# Altium PCB FluidGuard(RX).PcbDoc (part 3 of 3)
Units mm, origin at the board's own origin, x right, y up, seen from the top; angles counter-clockwise.
Board outline 125 x 150 mm, 4 copper layers (Top Layer, Mid Layer 1(GND), Mid Layer 2(GND), Bottom Layer), stack 1.586 mm thick; 143 components, 112 nets, 606 pads, 682 vias.
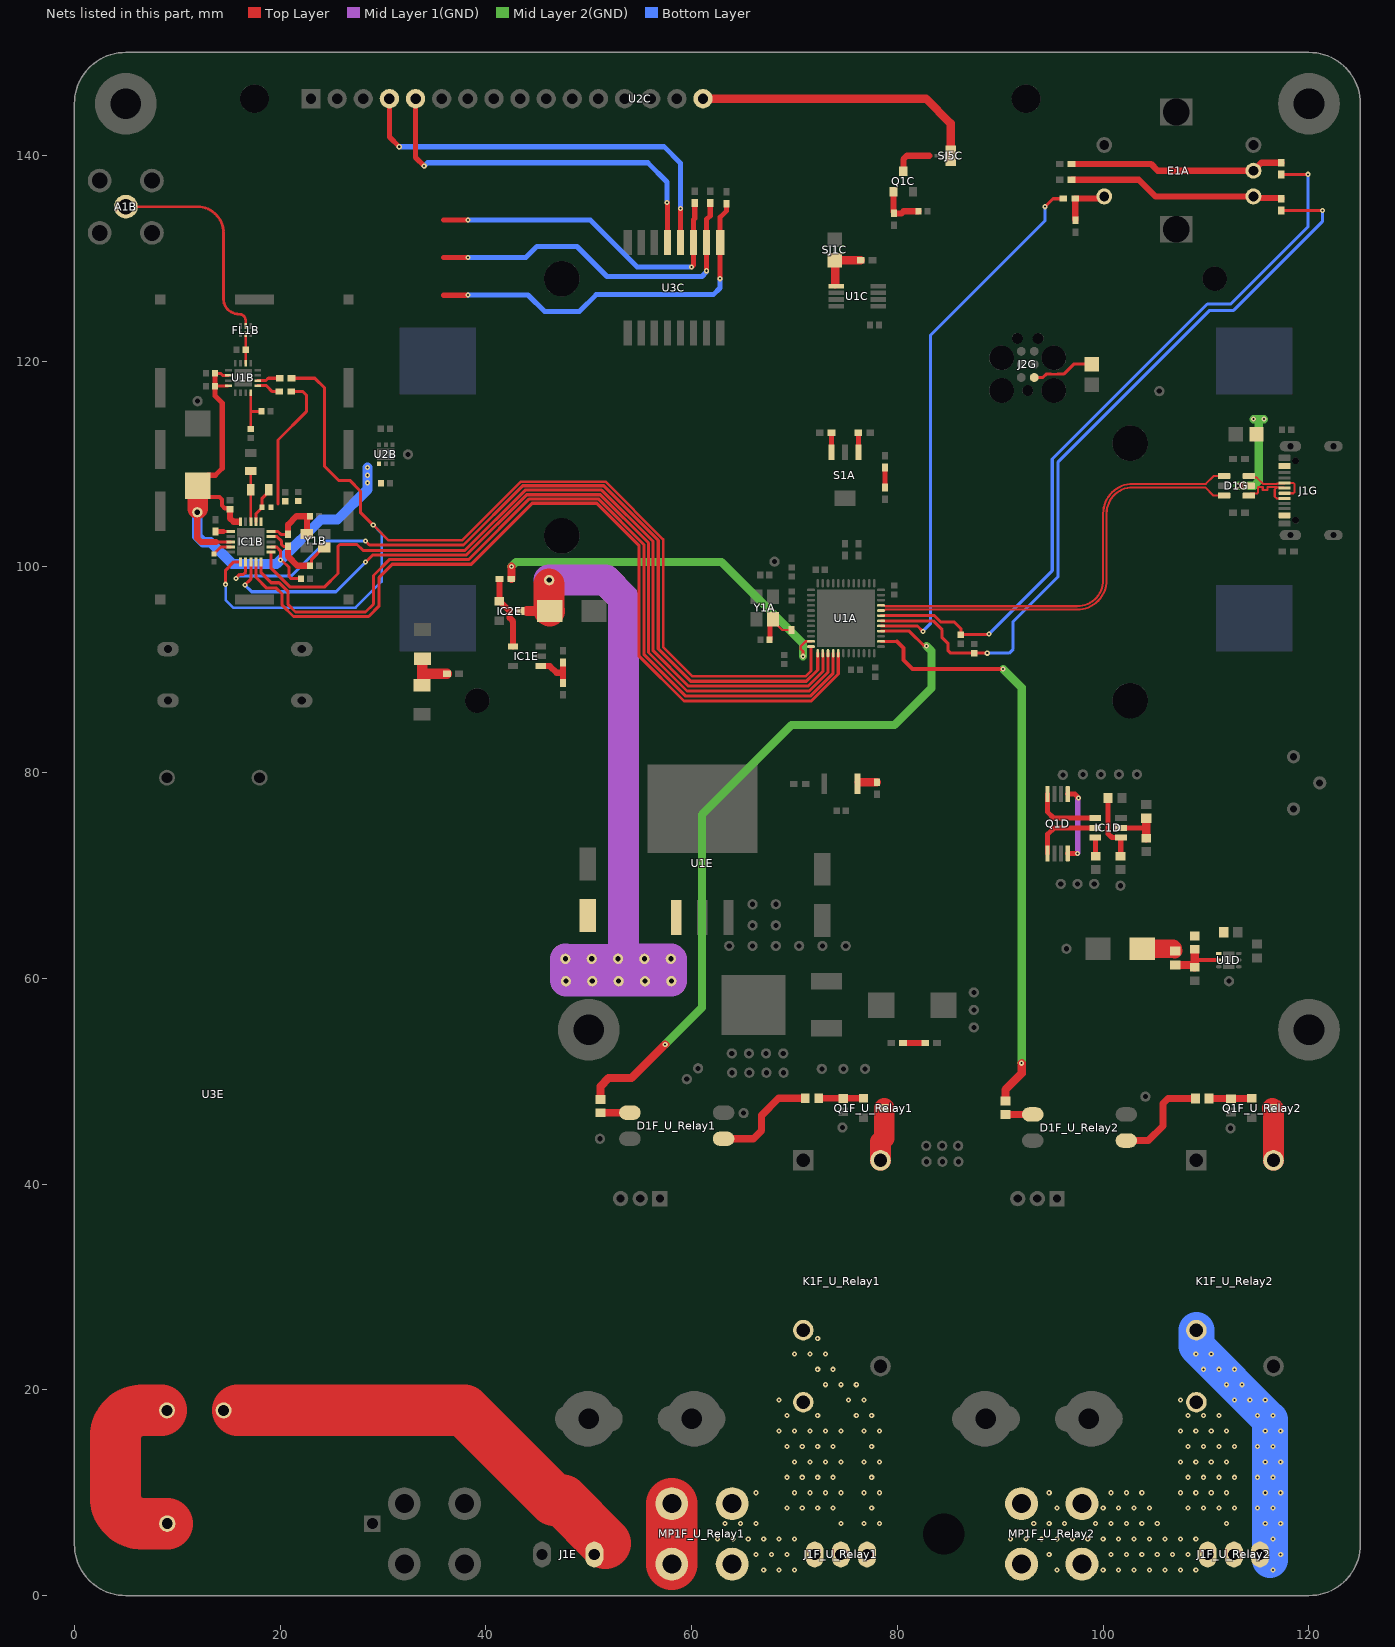
[diagram p5: the nets of this part, all layers, seen from the top]

## Via types
v1: diameter 0.5, hole 0.2, Top Layer to Bottom Layer, 618 vias
v2: diameter 0.8, hole 0.5, Top Layer to Bottom Layer, 64 vias

## Nets (pads, with @x,y where several pads share a name; then routed paths per layer and width w, separated by ;. In a path a pad name is that pad's centre, name@x,y a point inside that pad or via, vN(x,y) a via of type N, cw(c..) or ccw(c..) an arc to the next point about the centre after c; other vN are vias at no path point) (continued)
NetC1D_1: C1D.1 R1D.1 R4D.2 U1D.2 | length 6.1
  Top Layer w0.4: 108.9,61.775 U1D.2@111.222,61.775
  Top Layer w0.8: C1D.1@107,61.3 108.625,61.3 108.85,61.075 R4D.2@108.9,61.075 108.9,61.775 R1D.1@108.9,62.825
NetC2C_2: C2C.2 Q1C.1 R6C.2 | length 4.6
  Top Layer w0.6: Q1C.1@79.625,136.45 79.625,134.475 79.675,134.425 R6C.2@79.675,134.35 80.4,134.35 80.6,134.55 C2C.2@82.035,134.55
NetC3A_2: C3A.2 R6A.1 Y1A.3 | length 4.5
  Top Layer w0.2: Y1A.3@67.9,94.9 67.9,94.775 68.825,93.85 R6A.1@69.715,93.85
  Top Layer w0.5: C3A.2@67.58,92.9 67.63,92.95 67.63,94.63 Y1A.3@67.9,94.9
NetC4B_1: C4B.1 IC1B.19 | length 1.9
  Top Layer w0.3: C4B.1@13.575,101.25 13.575,101.271 14.229,101.925 IC1B.19@15.2,101.925
NetC5D_2: C5D.2 IC1D.5 R2D.2 | length 4.4
  Top Layer w0.5: IC1D.5@101.725,74.625 104.138,74.625 104.175,74.588
  Top Layer w0.8: R2D.2@104.175,73.625 104.175,74.588 C5D.2@104.175,75.55
NetC12B_2: C12B.2 IC1B.10 R4B.1 Y1B.1 | length 7.1
  Top Layer w0.3: IC1B.10@19.1,103.425 19.8,103.425 20.075,103.15 R4B.1@20.775,103.15
  Top Layer w0.6: R4B.1@20.775,103.15 20.775,104.1 21.583,104.908 C12B.2@22.91,104.908 22.91,104.888 22.6,104.578 Y1B.1@22.6,103.181
NetC13B_2: C13B.2 IC1B.9 R4B.2 Y1B.3 | length 8.2
  Top Layer w0.3: IC1B.9@19.1,102.925 19.7,102.925 20.15,102.475 20.15,102.151 20.326,101.975 20.75,101.975 R4B.2@20.775,102 ; C13B.2@22.91,100.1 23.06,100.25 23.06,100.741 24.2,101.881 Y1B.3@24.3,101.881
  Top Layer w0.6: R4B.2@20.775,102 20.775,101 21.675,100.1 C13B.2@22.91,100.1
NetD1A_2: D1A.2 R4A.2 | length 2
  Top Layer w0.5: D1A.2@78.8,107.705 R4A.2@78.8,109.655
NetD1F_U_Relay1_1: D1F_U_Relay1.1 R1F_U_Relay1.2 | length 2.9
  Top Layer w0.7: R1F_U_Relay1.2@51.125,46.925 51.135,46.935 53.99,46.935 D1F_U_Relay1.1@54,46.945
NetD1F_U_Relay1_3: D1F_U_Relay1.3 R3F_U_Relay1.1 | length 10.5
  Top Layer w0.7: D1F_U_Relay1.3@63.1,44.405 66.005,44.405 66.8,45.2 66.8,46.7 68.45,48.35 R3F_U_Relay1.1@71.05,48.35
NetD1F_U_Relay2_1: D1F_U_Relay2.1 R1F_U_Relay2.2 | length 2.7
  Top Layer w0.7: R1F_U_Relay2.2@90.5,46.775 90.502,46.773 93.147,46.773 D1F_U_Relay2.1@93.15,46.77
NetD1F_U_Relay2_3: D1F_U_Relay2.3 R3F_U_Relay2.1 | length 9.7
  Top Layer w0.7: D1F_U_Relay2.3@102.25,44.23 104.38,44.23 105.8,45.65 105.8,47.825 106.3,48.325 R3F_U_Relay2.1@108.975,48.325
NetD2E_2: D2E.2 R3E.2 | length 2.1
  Top Layer w0.6: D2E.2@80.55,53.725 R3E.2@82.7,53.725
NetE1A_1: E1A.1 R12A.1 R14A.2 | length 5
  Top Layer w0.6: R14A.2@97.3,133.675 97.3,133.75 97.275,133.775 R12A.1@97.275,135.8 99.643,135.8 99.843,136 E1A.1@100.1,136
NetE1A_A: E1A.A R10A.1 R13A.2 | length 21.2
  Top Layer w0.6: R10A.1@96.925,137.625 103.45,137.625 105.075,136 E1A.A@114.6,136 114.75,135.85 117.3,135.85 R13A.2@117.3,135.775
NetE1A_B: E1A.B R11A.1 R15A.2 | length 21
  Top Layer w0.6: R11A.1@96.925,139.15 104.65,139.15 105.3,138.5 E1A.B@114.6,138.5 115.375,139.275 R15A.2@117.3,139.275
NetIC1B_12: IC1B.12 L2B.2 L3B.1 | length 3.6
  Top Layer w0.3: IC1B.12@17.65,104.375 17.65,105.17 18.25,105.77 L3B.1@18.25,105.8 18.25,106.665 18.9,107.315 L2B.2@18.9,107.5
NetIC1B_16: IC1B.16 R1B.2 | length 1.5
  Top Layer w0.3: 14.475,103.425 IC1B.16@15.2,103.425
  Top Layer w0.5: R1B.2@13.725,103.425 14.475,103.425
NetIC1D_1: IC1D.1 Q1D.4 | length 6.6
  Top Layer w0.5: Q1D.4@94.6,77.905 94.6,76.15 95.175,75.575 IC1D.1@99.225,75.575
NetIC1D_2: IC1D.2 Q1D.5 | length 6.7
  Top Layer w0.5: Q1D.5@94.6,72.145 94.6,74 95.225,74.625 IC1D.2@99.225,74.625
NetIC1D_3: IC1D.3 R5D.2 | length 1.8
  Top Layer w0.5: IC1D.3@99.225,73.675 99.25,73.65 99.25,71.9 R5D.2@99.275,71.875
NetIC1E_1: IC1E.1 R1E.1 R2E.2 | length 4.4
  Top Layer w0.6: IC1E.1@45.342,90.35 46.225,90.35 46.875,89.7 47.492,89.7 ; R1E.1@47.492,88.7 47.492,89.7 ; R2E.2@47.492,90.7 47.492,89.7
NetIC1E_4: IC1E.4 IC2E.1 R9A.2 | length 7.2
  Top Layer w0.6: R9A.2@41.325,98.825 41.325,96.75 41.45,96.75 IC2E.1@41.45,96.8 ; IC2E.1@41.35,96.65 42.3,95.7 42.3,95.025 42.642,94.683 IC1E.4@42.642,92.25
NetJ1F_U_Relay1_1: J1F_U_Relay1.1 MP1F_U_Relay1.1@63.935,3.065 MP1F_U_Relay1.1@63.935,8.935
  other v1: 67,2.5 68.5,2.5 70,2.5 66.25,4 67.75,4 69.25,4 62.5,5.5 64,5.5 65.5,5.5 67,5.5 68.5,5.5 70,5.5 63.25,7 64.75,7 66.25,7 66.25,10
NetJ1F_U_Relay2_1: J1F_U_Relay2.1 MP1F_U_Relay2.1
  other v1: 95.5,2.5 100,2.5 101.5,2.5 103,2.5 104.5,2.5 106,2.5 107.5,2.5 109,2.5 94.75,4 100.75,4 102.25,4 103.75,4 105.25,4 106.75,4 108.25,4 91,5.5 92.5,5.5 94,5.5 95.5,5.5 97,5.5 98.5,5.5 100,5.5 101.5,5.5 103,5.5 104.5,5.5 106,5.5 107.5,5.5 109,5.5 93.25,7 94.75,7 96.25,7 99.25,7 100.75,7 102.25,7 103.75,7 105.25,7 95.5,8.5 100,8.5 101.5,8.5 103,8.5 104.5,8.5 94.75,10 100.75,10 102.25,10 103.75,10
NetJ2G_1: J2G.1 SJ2G.1 | length 6.1
  Top Layer w0.25: 94.929,118.725 95.55,118.725
  Top Layer w0.3: J2G.1@93.3,118.4 94.125,118.4 94.45,118.725 94.929,118.725 ; 95.55,118.725 96.15,118.725 97.125,119.7 SJ2G.1@98.9,119.7
NetK1F_U_Relay1_5: K1F_U_Relay1.5 Q1F_U_Relay1.3 | length 5.2
  Top Layer w2: K1F_U_Relay1.5@78.35,42.3 78.35,44.125 78.7,44.475 Q1F_U_Relay1.3@78.7,47.39
NetK1F_U_Relay2_5: K1F_U_Relay2.5 Q1F_U_Relay2.3 | length 5.1
  Top Layer w2: Q1F_U_Relay2.3@116.45,47.39 116.55,47.29 K1F_U_Relay2.5@116.55,42.3
NetQ1C_3: Q1C.3 SJ5C.1 | length 3.8
  Top Layer w0.6: Q1C.3@80.575,138.45 80.575,139.599 80.926,139.95 83.1,139.95
NetQ1D_1: Q1D.1 Q1D.8 | length 7.6
  Top Layer w0.5: Q1D.8@96.55,72.145 v1(97.495,72.145) ; Q1D.1@96.55,77.905 97.228,77.905 v1(97.605,77.528)
  Mid Layer 1(GND) w0.5: v1(97.495,72.145) 97.53,72.18 97.53,77.453 v1(97.605,77.528)
NetQ1F_U_Relay1_1: Q1F_U_Relay1.1 R3F_U_Relay1.2 R4F_U_Relay1.2 | length 4.4
  Top Layer w0.6: R3F_U_Relay1.2@72.35,48.35 72.355,48.345 76.695,48.345 Q1F_U_Relay1.1@76.7,48.34
NetQ1F_U_Relay2_1: Q1F_U_Relay2.1 R3F_U_Relay2.2 R4F_U_Relay2.2 | length 4.2
  Top Layer w0.7: R3F_U_Relay2.2@110.275,48.325 110.282,48.333 114.443,48.333 Q1F_U_Relay2.1@114.45,48.34
NetR1C_1: R1C.1 SJ1C.2 U1C.1 | length 3.9
  Top Layer w0.8: U1C.1@73.95,127.454 SJ1C.2@73.95,129.5 ; SJ1C.2@74.595,129.8 R1C.1@76.425,129.8
NetR2B_1: R2B.1 U1B.5 | length 2.3
  Top Layer w0.3: U1B.5@17.825,117.602 18.673,117.602 19.248,117.027 R2B.1@19.925,117.027
NetR2C_1: R2C.1 SJ2C.2 U3C.1 | length 36.8
  Top Layer w0.5: SJ2C.2@35.875,126.4 38.05,126.4 v1@38.075,126.425 ; v1(62.75,128) 62.75,131.505 U3C.1@62.77,131.525 62.77,133.97 63.4,134.6 R2C.1@63.4,135.3
  Bottom Layer w0.5: v1(38.25,126.425) 44.1,126.425 45.725,124.8 49.075,124.8 50.725,126.45 62.1,126.45 62.75,127.1 v1(62.75,128)
NetR3A_1: R3A.1 S1A.1 | length 1.9
  Top Layer w0.5: S1A.1@76.2,111.15 R3A.1@76.2,113.03
NetR3B_1: R3B.1 U1B.6 | length 2.2
  Top Layer w0.3: U1B.6@17.825,118.102 18.627,118.102 18.852,118.327 R3B.1@19.95,118.327
NetR3C_1: R3C.1 SJ3C.2 U3C.2 | length 34
  Top Layer w0.5: SJ3C.2@35.875,130.05 v1@38.05,130.05 ; v1(61.45,128.775) U3C.2@61.45,131.525 61.45,133.775 61.8,134.125 R3C.1@61.8,135.35
  Bottom Layer w0.5: v1(38.25,130.05) 43.875,130.05 44.95,131.125 48.85,131.125 51.765,128.21 60.992,128.21 61.45,128.668 v1(61.45,128.775)
NetR4C_1: R4C.1 SJ4C.2 U3C.3 | length 32.3
  Top Layer w0.5: SJ4C.2@35.875,133.7 v1(38.25,133.7) ; v1(60,129.15) 60.18,129.33 U3C.3@60.18,131.525 60.18,133.73 60.3,133.85 R4C.1@60.3,135.35
  Bottom Layer w0.5: v1(38.25,133.7) 50.15,133.7 54.7,129.15 v1(60,129.15)
NetR4E_2: R4E.2 U3E.1 | length 18.3
  Top Layer w5: U3E.1@8.45,18 6.54,18 ccw(c6.54,15.46) 4,15.46 4,9.54 ccw(c6.54,9.54) 6.54,7 R4E.2@9.027,7
NetR5A_2: R5A.2 S1A.3 | length 1.9
  Top Layer w0.5: S1A.3@73.6,111.15 R5A.2@73.6,113.03
NetR6D_1: R6D.1 R7D.2 R8A.2 | length 5.1
  Top Layer w1: R7D.2@33.8,88.475 33.825,88.5 33.825,89.775 ; R6D.1@33.85,91.075 33.825,91.05 33.825,89.775 ; R8A.2@36.225,89.6 34,89.6 33.825,89.775
NetR7A_2: R7A.2 S2A.2 | length 1.7
  Top Layer w0.8: S2A.2@76.25,79.05 R7A.2@78,79.05
NetSJ5C_3: SJ5C.3 U2C.16 | length 27.5
  Top Layer w0.8: U2C.16@61.1,145.5 82.775,145.5 85.175,143.1 SJ5C.3@85.175,140.699
NEUTRAL: J1E.1 MP1F_U_Relay1.1@58.065,3.065 MP1F_U_Relay1.1@58.065,8.935 U3E.2 | length 48.3
  Top Layer w2: U3E.2@14.5,18 15.9,18
  Top Layer w5: 15.9,18 37.9,18 46.648,9.252 47.448,9.252 51.62,5.08 ; MP1F_U_Relay1.1@58.065,3.065 MP1F_U_Relay1.1@58.065,8.935
NH_U_Relay1: J1F_U_Relay1.3 K1F_U_Relay1.2
  other v1: 76.75,7 78.25,7 77.5,8.5 76.75,10 78.25,10 77.5,11.5 76.75,13 78.25,13 77.5,14.5 76.75,16 78.25,16 76,17.5 77.5,17.5 75.25,19 76.75,19 73,20.5 74.5,20.5 76,20.5 72.25,22 73.75,22 70,23.5 71.5,23.5 73,23.5 72.25,25
NH_U_Relay2: J1F_U_Relay2.3 K1F_U_Relay2.2 | length 25.3
  Bottom Layer w3.5: K1F_U_Relay2.2@109.05,25.8 109.05,24.258 116.2,17.108 116.2,3.465
  other v1: 116.5,2.5 117.25,4 116.5,5.5 115.75,7 117.25,7 115,8.5 116.5,8.5 115.75,10 117.25,10 115,11.5 116.5,11.5 115.75,13 117.25,13 115,14.5 116.5,14.5 115.75,16 117.25,16 115,17.5 116.5,17.5 112.75,19 114.25,19 115.75,19 112,20.5 113.5,20.5 109.75,22 111.25,22 112.75,22 109,23.5 110.5,23.5
NL_U_Relay1: J1F_U_Relay1.2 K1F_U_Relay1.3
  other v1: 74.5,7 69.25,8.5 70.75,8.5 72.25,8.5 73.75,8.5 70,10 71.5,10 73,10 74.5,10 69.25,11.5 70.75,11.5 72.25,11.5 73.75,11.5 70,13 71.5,13 73,13 74.5,13 69.25,14.5 70.75,14.5 72.25,14.5 73.75,14.5 68.5,16 70,16 71.5,16 73,16 74.5,16 69.25,17.5 72.25,17.5 68.5,19
NL_U_Relay2: J1F_U_Relay2.2 K1F_U_Relay2.3
  other v1: 112,7 108.25,8.5 109.75,8.5 111.25,8.5 112.75,8.5 107.5,10 109,10 110.5,10 112,10 108.25,11.5 109.75,11.5 111.25,11.5 112.75,11.5 107.5,13 109,13 110.5,13 112,13 108.25,14.5 109.75,14.5 111.25,14.5 112.75,14.5 107.5,16 109,16 110.5,16 112,16 108.25,17.5 109.75,17.5 111.25,17.5 107.5,19
NRF_ANT: C5B.2 C6B.2 U1B.4 | length 4.6
  Top Layer w0.26: C5B.2@17.15,113.392 17.15,115.159 ; U1B.4@17.15,116.927 17.15,115.159 ; C6B.2@18.175,115.1 17.209,115.1 cw(c17.209,115.159) 17.15,115.159
POT_A: C12A.2 R13A.1 U1A.30 | length 75.6
  Top Layer w0.3: U1A.30@78.4,94.75 83.475,94.75 84.35,93.875 84.35,93.1 84.932,92.518 84.932,91.843 85.173,91.602 C12A.2@87.485,91.602 v1(88.73,91.602) ; R13A.1@117.3,134.625 v1(121.3,134.625)
  Bottom Layer w0.3: v1(88.73,91.602) 90.853,91.602 91.25,92 91.25,94.675 95.625,99.05 95.625,110.2 110.35,124.925 112.675,124.925 121.3,133.55 v1(121.3,134.625)
POT_B: C11A.2 R15A.1 U1A.31 | length 73.1
  Top Layer w0.3: U1A.31@78.4,95.25 83.6,95.25 84.235,94.615 85.55,94.615 86.16,94.005 C11A.2@86.16,93.398 86.177,93.415 88.713,93.415 88.718,93.419 88.847,93.419 v1(88.885,93.457) ; R15A.1@117.3,138.125 117.312,138.137 119.887,138.137 v1(119.9,138.15)
  Bottom Layer w0.3: v1(88.885,93.457) 95.05,99.623 95.05,110.475 110.125,125.55 112.4,125.55 119.925,133.075 119.925,138.125 v1(119.9,138.15)
POT_SW: R12A.2 U1A.29 | length 52.6
  Top Layer w0.3: U1A.29@78.4,94.25 81.95,94.25 v1(82.475,93.725) ; v1(94.35,135) 95.125,135.775 96.1,135.775 R12A.2@96.125,135.8
  Bottom Layer w0.3: v1(82.475,93.725) 83.2,94.45 83.2,122.475 94.35,133.625 v1(94.35,135)
PWR_SENSE: R9A.1 U1A.11 | length 36.5
  Top Layer w0.254: v1(70.825,91.3) 70.825,91.796 70.6,92.021 70.6,92.275 71.075,92.75 U1A.11@71.6,92.75 U1A.11@71.598,92.748
  Top Layer w0.8: R9A.1@42.475,98.825 v1(42.475,100.025)
  Mid Layer 2(GND) w0.8: v1(42.475,100.025) 42.925,100.475 62.903,100.475 70.825,92.553 v1(70.825,91.3)
RELAY_A: R1F_U_Relay1.1 U1A.28 | length 69.8
  Top Layer w0.3: U1A.28@78.4,93.75 81.15,93.75 82.6,92.3 v1(82.825,92.3)
  Top Layer w0.8: R1F_U_Relay1.1@51.125,48.225 51.125,49.5 51.925,50.3 54.15,50.3 v1(57.425,53.575)
  Mid Layer 2(GND) w0.8: v1(57.425,53.575) 61,57.15 61,75.925 69.7,84.625 79.725,84.625 83.3,88.2 83.3,91.825 v1(82.825,92.3)
RELAY_B: R1F_U_Relay2.1 U1A.26 | length 57.1
  Top Layer w0.3: U1A.26@78.4,92.75 79.95,92.75
  Top Layer w0.4: 79.95,92.75 80.6,92.1 80.6,90.925 81.45,90.075 v1(90.275,90.075)
  Top Layer w0.8: R1F_U_Relay2.1@90.5,48.075 90.5,49.175 92.075,50.75 v1(92.075,51.75)
  Mid Layer 2(GND) w0.8: v1(90.275,90.075) 92.075,88.275 v1(92.075,51.75)
RF: IC1B.13 L1B.1 L2B.1 | length 4.9
  Top Layer w0.26: IC1B.13@17.15,104.375 L2B.1@17.15,107.5 L1B.1@17.15,109.3
RF_ANT: C9B.2 FL1B.2 U1B.10 | length 2.8
  Top Layer w0.26: U1B.10@16.65,119.777 FL1B.2@16.65,122.6
RF_ANT-OUT: A1B.S FL1B.5 | length 21.3
  Top Layer w0.26: A1B.S@5,135 11.96,135 cw(c11.96,132.46) 14.5,132.46 14.5,125.983 ccw(c15.858,125.983) 14.899,125.021 ccw(c16.024,126.149) 16.025,124.556 cw(c16.024,123.93) 16.65,123.93 FL1B.5@16.65,123.4
RF_CE: IC1B.1 R3B.2 U1A.12 | length 108.7
  Top Layer w0.254: v1(29.05,104.05) 30.525,102.575 37.7,102.575 43.4,108.275 51.625,108.275 57.225,102.675 57.225,92.2 60.075,89.35 71.075,89.35 71.6,89.875 U1A.12@71.6,92.25
  Top Layer w0.3: v1(14.7,98.3) 14.7,99.675 15.5,100.475 IC1B.1@16.15,100.475 ; R3B.2@21.1,118.327 23.373,118.327 24.325,117.375 24.325,109.75 25.675,108.4 26.775,108.4 27.8,107.375 27.8,105.3 v1(29.05,104.05)
  Bottom Layer w0.254: v1(14.7,98.3) 14.7,96.75 15.425,96.025 27.325,96.025 29.875,98.575 29.875,103.225 v1(29.05,104.05)
RF_CSN: IC1B.2 U1A.13 | length 78.9
  Top Layer w0.3: v1(15.7,98.875) 16.088,99.263 16.438,99.263 16.65,99.475 IC1B.2@16.65,100.475 ; v1(28.3,102.5) 28.675,102.125 37.825,102.125 43.575,107.875 51.45,107.875 56.75,102.575 56.75,92.025 59.9,88.875 71.15,88.875 72.25,89.975 U1A.13@72.25,91.6
  Bottom Layer w0.3: v1(15.7,98.875) 15.751,98.875 15.976,99.1 21.069,99.1 24.469,102.5 v1(28.3,102.5)
RF_IRQ: IC1B.6 U1A.14 | length 78.3
  Top Layer w0.3: IC1B.6@19.1,101.425 19.1,99.9 20.975,98.025 24.3,98.025 25.625,99.35 25.625,101.999 25.801,102.175 27.475,102.175 28.05,101.6 37.975,101.6 43.825,107.45 51.25,107.45 56.25,102.45 56.25,91.825 59.65,88.425 71.35,88.425 72.75,89.825 U1A.14@72.75,91.6
RF_MISO: IC1B.5 U1A.16 | length 82.2
  Top Layer w0.3: IC1B.5@18.15,100.475 18.15,99.425 19.125,98.45 19.9,98.45 20.775,97.575 20.775,96.325 21.5,95.6 28.3,95.6 29.075,96.375 29.075,99.15 30.65,100.725 38.35,100.725 44.225,106.6 50.925,106.6 55.35,102.175 55.35,91.5 59.425,87.425 71.525,87.425 73.75,89.65 U1A.16@73.75,91.6
RF_MOSI: IC1B.4 U1A.17 | length 83.9
  Top Layer w0.3: IC1B.4@17.65,100.475 17.65,98.975 18.7,97.925 19.625,97.925 20.2,97.35 20.2,96.275 21.3,95.175 28.6,95.175 29.625,96.2 29.625,98.975 30.9,100.25 38.575,100.25 44.5,106.175 50.775,106.175 54.9,102.05 54.9,91.3 59.25,86.95 71.625,86.95 74.25,89.575 U1A.17@74.25,91.6
RF_SCK: IC1B.3 U1A.15 | length 80.1
  Top Layer w0.3: v1(16.575,98.225) 17.15,98.8 IC1B.3@17.15,100.475 ; v1(28.3,100.45) 29,101.15 38.1,101.15 43.954,107.004 51.121,107.004 55.8,102.325 55.8,91.675 59.55,87.925 71.425,87.925 73.25,89.75 U1A.15@73.25,91.6
  Bottom Layer w0.3: v1(16.575,98.225) 17.225,97.575 25.425,97.575 v1(28.3,100.45)
RF_VDD: C1B.2 C2B.1 C3B.2 C7B.2 C8B.1 C15B.2 IC1B.7 IC1B.15 IC1B.18 pad.59 U1B.14 U1B.16 U2B.1 | length 60.3
  Top Layer w0.3: C8B.1@13.678,117.554 13.7,117.577 U1B.16@14.95,117.577 ; C7B.2@13.68,118.804 14.19,118.804 14.392,118.602 U1B.14@14.975,118.602 ; 13.775,102.425 IC1B.18@15.2,102.425 ; IC1B.7@19.1,101.925 19.675,101.925 20.025,101.575 v1(20.025,100.65) 20.063,100.612 20.188,100.612 20.875,99.925 20.875,99.05 21.077,98.848 C3B.2@22.035,98.848
  Top Layer w0.4: C2B.1@12,107.825 13.025,106.8 14.1,106.8 14.35,106.55 14.35,105.95 14.612,105.688 15.025,105.688 C1B.2@15.125,105.588
  Top Layer w0.5: C2B.1@12,107.875 12,107.925 12.975,108.9 13.7,108.9 14.375,109.575 14.375,115.925 13.675,116.625 C8B.1@13.675,117.552 13.678,117.554 13.678,118.801 C7B.2@13.68,118.804
  Top Layer w0.6: pad.59@11.95,105.6 pad.59@11.95,105.3 11.95,102.776 12.301,102.425 13.775,102.425 ; C1B.2@15.125,105.588 15.125,104.726 15.476,104.375 IC1B.15@16,104.375
  Top Layer w2: pad.59@12,105.65 12,107.825 C2B.1@12,107.875
  Bottom Layer w1: pad.59@11.95,105.3 11.95,102.961 12.536,102.375 13.231,102.375 15.325,100.281 19.656,100.281 v1(20.025,100.65) ; v1@20.108,100.733 23.975,104.6 25.574,104.6 28.5,107.526 v1@28.5,109.65
  other v1: 28.5,108.163 28.5,108.9 28.5,109.637
RS: U2C.4 U3C.4 | length 40.9
  Top Layer w0.5: U2C.4@30.7,145.58 U2C.4@30.62,145.5 30.62,141.78 v1(31.575,140.825) ; v1(58.9,134.825) 58.91,134.815 U3C.4@58.91,131.525
  Bottom Layer w0.5: v1(31.575,140.825) 57.325,140.825 58.9,139.25 v1(58.9,134.825)
RW: U2C.5 U3C.5 | length 37.3
  Top Layer w0.5: U2C.5@33.16,145.5 33.16,139.79 v1(34,138.95) ; v1(57.6,135.4) 57.64,135.36 U3C.5@57.64,131.525
  Bottom Layer w0.5: v1(34,138.95) 34.325,139.275 55.725,139.275 57.6,137.4 v1(57.6,135.4)
TVS_D_N: D1G.3 U1A.32 | length 43.3
  Top Layer w0.202: U1A.32@78.4,95.75 78.675,95.75 78.866,95.835 97.46,95.835 ccw(c97.46,98.705) 100.329,98.705 100.329,105.185 cw(c102.869,105.185) 102.869,107.725 109.9,107.725 110.7,106.925 D1G.3@111.75,106.925
TVS_D_P: D1G.1 U1A.33 | length 43.3
  Top Layer w0.202: U1A.33@78.409,96.241 U1A.33@78.4,96.25 78.675,96.25 78.866,96.165 97.46,96.165 ccw(c97.46,98.705) 100,98.705 100,105.185 cw(c102.869,105.185) 102.869,108.054 109.979,108.054 110.75,108.825 D1G.1@111.75,108.825
USB_D_N: D1G.4 J1G.A7 J1G.B7 | length 6.5
  Top Layer w0.202: D1G.4@114.15,106.925 114.332,107.107 114.932,107.107 114.952,107.127 115.053,107.228 115.053,107.736 115.51,107.736 115.51,107.479 115.966,107.479 115.966,107.735 116.747,107.735 116.905,107.735 116.942,107.699 117.574,107.699 J1G.A7@117.622,107.65 ; 116.793,107.65 116.675,107.532 116.675,106.825 116.85,106.65 J1G.B7@117.622,106.65
USB_D_P: D1G.6 J1G.A6 J1G.B6 | length 6.6
  Top Layer w0.202: D1G.6@114.15,108.825 114.307,108.668 114.932,108.668 115.535,108.065 115.609,108.065 116.75,108.065 116.905,108.065 116.942,108.101 117.574,108.101 J1G.B6@117.622,108.15 118.482,108.15 118.6,108.032 118.6,107.268 118.482,107.15 J1G.A6@117.622,107.15
VBUS: D1G.5 J1G.A4B9 J1G.B4A9 SJ1G.1 | length 10.3
  Top Layer w0.5: v1(113.075,107.875) D1G.5@114.15,107.875
  Mid Layer 2(GND) w0.8: v1(113.075,107.875) 114.644,107.875 115.113,108.344 115.113,114.35 ; v1(114.6,114.35) 115.113,114.35 ; v1(115.625,114.35) 115.113,114.35
VC: C4D.2 IC1D.4 R3D.2 | length 6.7
  Top Layer w0.5: C4D.2@100.475,77.525 100.475,74.05 100.85,73.675 IC1D.4@101.725,73.675 101.7,73.65 101.7,71.9 R3D.2@101.675,71.875
VDD_PA: C10B.2 C11B.2 IC1B.11 L3B.2 R2B.2 | length 13.3
  Top Layer w0.3: 19.8,106.125 19.8,112.325 22.55,115.075 22.55,116.7 22.223,117.027 R2B.2@21.075,117.027
VIN: C2E.1 D1E.2 IC2E.3 pad.5 pad.6 pad.7 pad.8 pad.22 pad.23 U1E.1 | length 73.1
  Top Layer w0.6: IC2E.3@43.3,95.7 44,95.7
  Top Layer w1: 44,95.7 D1E.2@46.202,95.7
  Top Layer w3: pad.5@46.15,98.325 46.15,95.752 D1E.2@46.202,95.7
  Mid Layer 1(GND) w3: pad.5@46.15,98.7 51.618,98.7 53.375,96.943 53.375,62.2 ; pad.6@47.725,61.9 47.725,59.775 pad.6@47.775,59.725 pad.23@50.338,59.725 pad.7@52.9,59.725 pad.22@55.463,59.725 pad.8@57.975,59.725 ; pad.6@47.753,61.825 50.288,61.851 52.575,61.875 52.85,61.876 55.413,61.888 pad.8@57.975,61.9 58.025,61.85 pad.8@58.025,59.725
VOUT: C1D.2 C2D.2 D1D.1 R1D.2 U1D.1 | length 3.5
  Top Layer w1.5: D1D.1@103.8,62.875 D1D.1@103.975,62.7 ; C1D.2@106.775,62.875 C1D.2@106.95,62.7
  Top Layer w1.8: D1D.1@103.8,62.875 C1D.2@106.775,62.875
pads on no net: BT1D. BT2D. J1B.SHC J1E.2 J1G.A8 J1G.B8 J1G.MH J2G.MH S1A.2 SJ1C.J SJ5C.J U1A.2 U1A.3 U1A.4 U1A.18 U1A.19 U1A.20 U1A.21 U1A.40 U1A.41 U1A.46 U1B.13 U2C. U2C.3 U2C.7 U2C.8 U2C.9 U2C.10

## Polygon pours and split planes (outlines as drawn)
no net on Bottom Solder (solid): 70.2,21 ccw(c70.2,18.9) 68.1,18.9 68.1,9.4 ccw(c69.8,9.4) 69.8,7.7 72.2,7.7 cw(c72.2,6.2) 73.7,6.2 73.7,3.5 ccw(c74.4,3.5) 74.4,2.8 74.5,2.8 ccw(c74.5,3.7) 75.4,3.7 75.4,16.2 70.6,21 70,21
NH_U_Relay1 on Bottom Solder "NH_U_RELAY1_L04_P007" (solid, pour order 7): 69.649,23.142 76.291,16.499 76.291,3.36 ccw(c77.991,3.36) 79.692,3.36 79.692,17.204 ccw(c77.992,17.204) 79.193,18.407 79.194,18.406 72.55,25.049 72.55,25.79 ccw(c70.85,25.79) 69.15,25.79 69.15,24.345 ccw(c70.85,24.345)
NL_U_Relay2 on Bottom Solder "NL_U_RELAY2_L04_P005" (solid, pour order 5): 108.4,21 ccw(c108.4,18.9) 106.3,18.9 106.3,9.4 ccw(c108,9.4) 108,7.7 110.4,7.7 cw(c110.4,6.2) 111.9,6.2 111.9,3.5 ccw(c112.6,3.5) 112.6,2.8 112.7,2.8 ccw(c112.7,3.7) 113.6,3.7 113.6,16.2 108.8,21 108.2,21
LINE on Bottom Solder "NONET_L04_P013" (solid, pour order 13): 27.801,3.793 cw(c29.569,5.561) 27.478,6.931 cw(c28.973,8.935) 26.473,8.935 26.473,26.221 cw(c28.973,26.221) 27.217,28.001 cw(c29.717,28.017) 27.949,29.785 31.188,33.024 cw(c34.752,29.46) 34.752,34.5 83.8,34.5 cw(c83.8,32) 85.57,33.766 90.366,28.97 cw(c88.6,27.2) 91.1,27.2 91.1,17.191 cw(c88.6,17.191) 86.1,17.191 86.1,26.164 82.764,29.5 55.336,29.5 52.5,26.664 52.5,19.191 cw(c50,19.191) 47.5,19.191 47.5,27.7 cw(c50,27.7) 48.234,29.47 48.264,29.5 34.752,29.5 34.724,29.488 31.485,26.249 31.473,26.221 31.473,11.364 cw(c32.065,8.935) 32.065,11.435 37.935,11.435 cw(c37.935,8.935) 40.435,8.935 cw(c37.935,8.935) 37.935,6.435 32.231,6.435 33.101,5.565 37.935,5.565 cw(c37.935,3.065) 40.435,3.065 cw(c37.935,3.065) 37.935,0.565 32.065,0.565 cw(c32.065,3.065) 30.295,1.299 30.297,1.297
NH_U_Relay2 on Bottom Solder "NH_U_RELAY2_L04_P008" (solid, pour order 8): 107.849,23.142 114.491,16.499 114.491,3.36 ccw(c116.191,3.36) 117.892,3.36 117.892,17.204 ccw(c116.192,17.204) 117.393,18.407 117.394,18.406 110.75,25.049 110.75,25.79 ccw(c109.05,25.79) 107.35,25.79 107.35,24.345 ccw(c109.05,24.345)
GND on Bottom Layer "BOTGND" (solid, pour order 69): 0,45 0,145 cw(c5,145) 5,150 120,150 cw(c120,145) 125,145 125,45 cw(c120,45) 120,40 5,40 cw(c5,45)
+5V on Bottom Layer "+5V_L04_P048" (solid, pour order 48): 62.375,67.65 cw(c63.175,67.65) 63.175,68.45 75.675,68.45 cw(c75.752,67.927) 76.275,67.85 76.275,59.6 cw(c75.55,59.6) 75.55,58.875 71.475,58.875 cw(c71.475,59.95) 70.4,59.95 70.4,61.225 ccw(c69.474,61.124) 69.575,62.05 63.25,62.05 cw(c63.25,62.9) 62.4,62.9
BAT on Bottom Layer "BAT_L04_P043" (solid, pour order 43): 41.5,94.375 41.5,92.325 40.775,91.6 35.825,91.6 34.95,92.475 32.075,92.475 31.35,93.2 31.35,98.475 31.85,98.975 38.675,98.975 39.975,97.675 39.975,95.9 40.425,95.45
NH_U_Relay1 on Bottom Layer "NH_U_RELAY1_L04_P032" (solid, pour order 32): 69.649,23.142 76.291,16.499 76.291,3.36 ccw(c77.991,3.36) 79.692,3.36 79.692,17.204 ccw(c77.992,17.204) 79.193,18.407 79.194,18.406 72.55,25.049 72.55,25.79 ccw(c70.85,25.79) 69.15,25.79 69.15,24.345 ccw(c70.85,24.345)
NetJ1F_U_Relay2_1 on Bottom Layer "NETJ1F_U_RELAY2_1_L04_P017" (solid, pour order 17): 89.4,9.6 cw(c91.5,9.6) 91.5,11.7 103.8,11.7 cw(c103.8,10.3) 105.2,10.3 105.2,8.5 ccw(c107.2,8.5) 107.2,6.5 109.3,6.5 cw(c109.3,4.7) 111,4.108 111,1.706 cw(c109.886,2.188) 109.886,0.975 91.725,0.975 cw(c91.725,3.3) 89.4,3.3
NetJ1F_U_Relay1_1 on Bottom Layer "NETJ1F_U_RELAY1_1_L04_P016" (solid, pour order 16): 61.4,10.6 cw(c62.7,10.6) 62.7,11.9 65.9,11.9 cw(c65.9,10.7) 67.1,10.7 67.1,8.5 ccw(c69,8.5) 69,6.6 71.6,6.6 cw(c71.6,5.4) 72.8,5.4 72.8,1.8 cw(c72,1.8) 72,1 63.94,1 cw(c63.94,3.54) 61.4,3.54 61.4,10.4
NL_U_Relay1 on Bottom Layer "NL_U_RELAY1_L04_P002" (solid, pour order 2): 70.2,21 ccw(c70.2,18.9) 68.1,18.9 68.1,9.4 ccw(c69.8,9.4) 69.8,7.7 72.2,7.7 cw(c72.2,6.2) 73.7,6.2 73.7,3.5 ccw(c74.4,3.5) 74.4,2.8 74.5,2.8 ccw(c74.5,3.7) 75.4,3.7 75.4,16.2 70.6,21 70,21
NL_U_Relay2 on Bottom Layer "NL_U_RELAY2_L04_P004" (solid, pour order 4): 108.4,21 ccw(c108.4,18.9) 106.3,18.9 106.3,9.4 ccw(c108,9.4) 108,7.7 110.4,7.7 cw(c110.4,6.2) 111.9,6.2 111.9,3.5 ccw(c112.6,3.5) 112.6,2.8 112.7,2.8 ccw(c112.7,3.7) 113.6,3.7 113.6,16.2 108.8,21 108.2,21
LINE on Bottom Layer "LINE_L04_P012" (solid, pour order 12): 31.5,13.2 31.5,13.149 ccw(c33.548,13.148) 32.1,11.7 ccw(c32.583,12.183) 32.583,11.5 37.948,11.5 cw(c37.948,8.96) 39.744,10.756 43.717,6.783 ccw(c44.4,7.466) 43.883,6.65 cw(c43.883,4.931) 45.438,5.665 cw(c44.768,4.173) 46.4,4.276 46.4,3.585 cw(c44.521,3.578) 45.849,2.249 45.566,1.966 cw(c44.2,3.331) 44.2,1.4 41.249,1.4 ccw(c41.248,-0.648) 39.8,0.8 cw(c39.317,1.283) 39.317,0.6 32.052,0.6 cw(c32.052,3.14) 30.256,1.344 26.944,4.656 cw(c28.016,5.728) 26.5,5.728 26.5,9.548 cw(c29.04,9.548) 27.244,11.344 28.6,12.7
RF_VDD on Top Layer "RF_VDD_L01_P062" (solid, pour order 62): 29.85,110.225 29.85,108.95 30.235,108.565 30.235,107.623 30.112,107.5 28.625,107.5 cw(c28.625,108) 28.125,108 28.125,109.775 cw(c28.575,109.775) 28.575,110.225
+12V on Top Layer "+12V_L01_P054" (solid, pour order 54): 112.875,62.525 113,62.65 113.85,62.65 114.025,62.475 115.725,62.475 115.825,62.375 115.825,61.075 115.425,60.675 113.175,60.675 112.85,61 112.85,61.3 112.95,61.4 113.65,61.4 113.725,61.475 113.725,62.125 113.65,62.2 112.95,62.2 112.875,62.275
BCOM on Top Layer "BCOM_L01_P051" (solid, pour order 51): 101.15,75.225 ccw(c101.225,75.225) 101.225,75.15 102.65,75.15 ccw(c102.65,75.65) 103.15,75.65 103.15,75.95 cw(c103.425,75.95) 103.425,76.225 104.975,76.225 ccw(c104.975,76.5) 105.25,76.5 105.25,77.675 ccw(c104.15,77.675) 104.15,78.775 101.275,78.775 ccw(c101.275,78.65) 101.15,78.65
BCOM on Top Layer "BCOM_L01_P052" (solid, pour order 52): 95.025,77.125 96.125,77.125 96.125,78.75 cw(c96.325,78.75) 96.325,78.95 100.85,78.95 cw(c100.85,78.65) 101.15,78.65 101.15,76.55 104.712,76.55 105.25,77.088 105.25,78.675 ccw(c103.25,78.675) 103.25,80.675 96.6,80.675 ccw(c96.6,79.1) 95.025,79.1
GND on Top Layer "TOPGND" (solid, remove dead copper, pour order 63): 0,45 0,145 cw(c5,145) 5,150 120,150 cw(c120,145) 125,145 125,45 cw(c120,45) 120,40 5,40 cw(c5,45)
VIN on Top Layer "12VIN" (solid, pour order 41): 47.225,68.225 58.9,68.225 cw(c58.9,67.6) 59.525,67.6 59.525,58.95 cw(c58.775,58.95) 58.775,58.2 47.85,58.2 cw(c47.85,59.875) 46.175,59.875 46.175,67.325 cw(c47.225,67.162)
VDD_PA on Top Layer "VDD_PA_L01_P060" (solid, pour order 60): 18,104.8 18,103.95 19.9,103.95 21.325,105.375 22.175,105.375 22.45,105.65 22.45,106.66 22.275,106.835 22.25,106.81 19.935,106.81 19.575,106.45 18.89,106.45 18.69,106.25 18.69,105.35
VOUT on Top Layer "VOUT_L01_P053" (solid, pour order 53): 111.4,62.125 ccw(c111.4,62.225) 111.5,62.225 111.5,62.725 cw(c111.725,62.725) 111.725,62.95 112.2,62.95 112.2,65.625 ccw(c111.975,65.625) 111.975,65.85 108.225,65.85 ccw(c108.225,65.35) 107.725,65.35 107.725,65.225 106.1,63.6 ccw(c106.1,63.325) 105.825,63.325 105.825,62.425 ccw(c106.2,62.425) 106.2,62.05 107.65,62.05 ccw(c107.65,62.375) 107.975,62.375 107.975,63.3 cw(c108.15,63.3) 108.15,63.475 109.75,63.475 109.95,63.275 109.95,62.325 ccw(c110.15,62.325) 110.15,62.125
GND on Top Layer "GND_L01_P055" (solid, pour order 55): 95,72.85 95.175,73.025 95.975,73.025 96.175,72.825 96.175,71.1 ccw(c96.25,71.1) 96.25,71.025 99.85,71.025 cw(c99.825,70.85) 100,70.875 100,70.8 100,68.5 cw(c99.5,68.5) 99.5,68 95.4,68 cw(c95.4,68.4) 95,68.4
+3V3 on Top Layer "+3V3_L01_P046" (solid, pour order 46): 62.35,60.128 62.35,50.85 ccw(c63.4,50.85) 63.4,49.8 69.725,49.8 ccw(c69.723,50.877) 70.8,50.877 70.8,55.65 71.425,56.275 79.475,56.275 79.475,58.5 71.1,58.5 68.725,60.875 65.125,60.875 63.122,60.893 ccw(c63.115,60.128)
GND on Top Layer "GND_L01_P050" (solid, pour order 50): 71.6,55.925 71.6,50.575 ccw(c72.35,50.575) 72.35,49.825 79.95,49.825 82.025,47.75 82.025,41.575 ccw(c82.7,41.575) 82.7,40.9 86.05,40.9 ccw(c86.05,41.825) 86.975,41.825 86.975,47.175 86.975,52.675 88.85,54.55 88.85,58.45 ccw(c87.75,58.45) 87.75,59.55 83.425,59.55 ccw(c83.425,58.825) 82.7,58.825 82.7,56.025 83.425,55.3 83.425,52.825 cw(c82.875,52.825) 82.875,52.275 78.05,52.275 cw(c78.05,53.75) 76.575,53.75 76.575,55.225 ccw(c75.896,55.221) 75.9,55.9
+5V on Top Layer "+5V_L01_P047" (solid, pour order 47): 62.375,67.65 cw(c63.175,67.65) 63.175,68.45 75.675,68.45 cw(c75.752,67.927) 76.275,67.85 76.275,59.6 cw(c75.55,59.6) 75.55,58.875 71.475,58.875 70.4,59.95 70.4,61.225 ccw(c69.474,61.124) 69.575,62.05 63.25,62.05 cw(c63.25,62.9) 62.4,62.9
+3V3 on Top Layer "+3V3_L01_P044" (solid, pour order 44): 44.075,91.825 43.675,92.225 43.675,93.625 43.825,93.775 46.725,93.775 46.925,93.575 46.925,92.85 45.9,91.825 45.775,91.825 45.9,91.825 45.775,91.825
BAT on Top Layer "BAT_L01_P042" (solid, pour order 42): 41.6,95.45 41.85,95.2 41.85,94.125 41.5,93.775 41.5,92.325 40.775,91.6 35.825,91.6 34.95,92.475 32.075,92.475 31.35,93.2 31.35,98.475 31.85,98.975 38.675,98.975 39.975,97.675 39.975,95.9 40.425,95.45
NetR7A_2 on Top Layer "NETR7A_2_L01_P040" (solid, pour order 40): 75,80.15 75.35,80.5 78.35,80.5 78.75,80.1 78.75,78.675 78.55,78.475 76.775,78.475 76.55,78.25 76.55,77.4 76.325,77.175 75.275,77.175 75,77.45
GND on Top Layer "GND_L01_P038" (solid, pour order 38): 117.073,104.496 118.2,104.496 118.2,103.85 118.1,103.75 117.175,103.75 116.95,103.525 116.95,102.55 117.2,102.3 117.85,102.3 117.975,102.175 117.975,100.75 117.775,100.55 113.3,100.55 110.325,103.525 110.325,105.75 110.7,106.125 112.875,106.125 113.2,105.8 113.2,104.496 116.779,104.496
VBUS on Top Layer "VBUS_L01_P037" (solid, pour order 37): 113.925,114.15 114.425,114.65 115.875,114.65 116.4,114.125 116.4,112.675 116.15,112.425 116.15,110.875 116.925,110.1 118.325,110.1 118.55,109.875 118.55,109.45 116.275,109.45 114.575,111.15 114.35,111.15 113.925,111.575
VBUS on Top Layer "VBUS_L01_" (solid, pour order 36): 116.975,109.975 117.1,110.1 118.325,110.1 118.525,109.9 120.85,109.9 121.15,109.6 121.15,105.05 120.975,104.875 118.55,104.875 118.35,104.675 117.075,104.675 117.075,105.35 118.6,105.35 119.15,105.9 119.15,108.85 118.55,109.45 117.075,109.45 116.975,109.55
+3V3 on Top Layer "+3V3_L01_P035" (solid, pour order 35): 69.325,91.065 69.26,91 67.675,91 67.525,91.15 67.525,91.925 67.8,92.2 67.975,92.2 68.35,92.575 68.35,93 68.425,93.075 69.953,93.075 70.828,93.95 71.1,93.95 71.3,93.75 71.151,93.601 71.076,93.601 69.325,91.85
GND on Top Layer "GND_L01_P034" (solid, pour order 34): 67.1,96.425 67.275,96.25 69.983,96.25 69.983,96.996 69.029,96.996 68.7,97.325 68.7,99.475 68.855,99.63 70.555,99.63 70.925,100 70.925,100.95 70.625,101.25 67.425,101.25 67.1,100.925
+3V3 on Top Layer "+3V3_L01_P033" (solid, pour order 33): 69.223,99.5 69.2,99.477 69.2,97.171 69.223,97.148 70.548,97.148 70.9,97.5 71.9,97.5 72,97.6 72,97.95 72.05,98 72.3,98 72.4,98.1 72.4,100 72.3,100.1 71.5,100.1 70.9,99.5
NH_U_Relay1 on Top Layer "NH_U_RELAY1_L01_P030" (solid, pour order 30): 69.649,23.142 76.291,16.499 76.291,3.36 ccw(c77.991,3.36) 79.692,3.36 79.692,17.204 ccw(c77.992,17.204) 79.193,18.407 79.194,18.406 72.55,25.049 72.55,25.79 ccw(c70.85,25.79) 69.15,25.79 69.15,24.345 ccw(c70.85,24.345)
NH_U_Relay2 on Top Layer "NH_U_RELAY2_L01_P027" (solid, pour order 27): 107.812,23.02 114.45,16.383 114.45,3.465 ccw(c116.2,3.465) 117.95,3.465 117.95,17.108 ccw(c116.2,17.108) 117.438,18.346 110.8,24.983 110.8,25.8 ccw(c109.05,25.8) 107.3,25.8 107.3,24.258 ccw(c109.05,24.258)
NL_U_Relay2 on Top Layer "NL_U_RELAY2_L01_P021" (solid, pour order 21): 108.4,21 ccw(c108.4,18.9) 106.3,18.9 106.3,9.4 ccw(c108,9.4) 108,7.7 110.4,7.7 cw(c110.4,6.2) 111.9,6.2 111.9,3.5 ccw(c112.6,3.5) 112.6,2.8 112.7,2.8 ccw(c112.7,3.7) 113.6,3.7 113.6,16.2 108.8,21 108.2,21
NL_U_Relay1 on Top Layer "NL_U_RELAY1_L01_P003" (solid, pour order 3): 70.2,21 ccw(c70.2,18.9) 68.1,18.9 68.1,9.4 ccw(c69.8,9.4) 69.8,7.7 72.2,7.7 cw(c72.2,6.2) 73.7,6.2 73.7,3.5 ccw(c74.4,3.5) 74.4,2.8 74.5,2.8 ccw(c74.5,3.7) 75.4,3.7 75.4,16.2 70.6,21 70,21
NetJ1F_U_Relay2_1 on Top Layer "NETJ1F_U_RELAY2_1_L01_P014" (solid, pour order 14): 89.4,9.6 cw(c91.5,9.6) 91.5,11.7 103.8,11.7 cw(c103.8,10.3) 105.2,10.3 105.2,8.5 ccw(c107.2,8.5) 107.2,6.5 109.3,6.5 cw(c109.3,4.7) 111,4.108 111,1.706 cw(c109.886,2.188) 109.886,0.975 91.725,0.975 cw(c91.725,3.3) 89.4,3.3
NetJ1F_U_Relay1_1 on Top Layer "NETJ1F_U_RELAY1_1_L01_P015" (solid, pour order 15): 61.4,10.6 cw(c62.7,10.6) 62.7,11.9 65.9,11.9 cw(c65.9,10.7) 67.1,10.7 67.1,8.5 ccw(c69,8.5) 69,6.6 71.6,6.6 cw(c71.6,5.4) 72.8,5.4 72.8,1.8 cw(c72,1.8) 72,1 63.94,1 cw(c63.94,3.54) 61.4,3.54 61.4,10.4
NEUTRAL on Top Layer "NEUTRAL_L01_P011" (solid, pour order 11): 47.1,12.2 ccw(c48.066,13.166) 48.066,11.8 58.51,11.8 cw(c58.51,9.41) 60.2,11.1 cw(c59.234,10.134) 60.6,10.134 60.6,3.152 cw(c58.06,3.152) 59.856,1.356 59.844,1.344 cw(c58.048,3.14) 58.048,0.6 51.652,0.6 cw(c51.652,3.14) 49.856,1.344 49.6,1.6 cw(c50.083,2.083) 49.4,2.083 49.4,3.4 ccw(c48.434,3.4) 49.117,4.083 48.8,4.4
GND on Mid Layer 1(GND) "GND_L02_P068" (solid, pour order 68): 0,45 0,145 cw(c5,145) 5,150 120,150 cw(c120,145) 125,145 125,45 cw(c120,45) 120,40 5,40 cw(c5,45)
+5V on Mid Layer 1(GND) "+5V_L02_P067" (solid, pour order 67): 62.375,67.65 cw(c63.175,67.65) 63.175,68.45 75.675,68.45 cw(c75.752,67.927) 76.275,67.85 76.275,59.6 cw(c75.55,59.6) 75.55,58.875 71.475,58.875 70.4,59.95 70.4,61.225 ccw(c69.474,61.124) 69.575,62.05 63.25,62.05 cw(c63.25,62.9) 62.4,62.9
VIN on Mid Layer 1(GND) "12VIN" (solid, pour order 66): 47.225,68.225 58.9,68.225 cw(c58.9,67.6) 59.525,67.6 59.525,58.95 cw(c58.775,58.95) 58.775,58.2 47.85,58.2 cw(c47.85,59.875) 46.175,59.875 46.175,67.325 cw(c47.225,67.162)
NH_U_Relay1 on Mid Layer 1(GND) "NH_U_RELAY1_L02_P031" (solid, pour order 31): 69.649,23.142 76.291,16.499 76.291,3.36 ccw(c77.991,3.36) 79.692,3.36 79.692,17.204 ccw(c77.992,17.204) 79.193,18.407 79.194,18.406 72.55,25.049 72.55,25.79 ccw(c70.85,25.79) 69.15,25.79 69.15,24.345 ccw(c70.85,24.345)
NH_U_Relay2 on Mid Layer 1(GND) "NH_U_RELAY2_L02_P028" (solid, pour order 28): 107.812,23.02 114.45,16.383 114.45,3.465 ccw(c116.2,3.465) 117.95,3.465 117.95,17.108 ccw(c116.2,17.108) 117.438,18.346 110.8,24.983 110.8,25.8 ccw(c109.05,25.8) 107.3,25.8 107.3,24.258 ccw(c109.05,24.258)
NetJ1F_U_Relay2_1 on Mid Layer 1(GND) "NETJ1F_U_RELAY2_1_L02_P025" (solid, pour order 25): 89.4,9.6 cw(c91.5,9.6) 91.5,11.7 103.8,11.7 cw(c103.8,10.3) 105.2,10.3 105.2,8.5 ccw(c107.2,8.5) 107.2,6.5 109.3,6.5 cw(c109.3,4.7) 111,4.108 111,1.706 cw(c109.886,2.188) 109.886,0.975 91.725,0.975 cw(c91.725,3.3) 89.4,3.3
NetJ1F_U_Relay1_1 on Mid Layer 1(GND) "NETJ1F_U_RELAY1_1_L02_P023" (solid, pour order 23): 61.4,10.6 cw(c62.7,10.6) 62.7,11.9 65.9,11.9 cw(c65.9,10.7) 67.1,10.7 67.1,8.5 ccw(c69,8.5) 69,6.6 71.6,6.6 cw(c71.6,5.4) 72.8,5.4 72.8,1.8 cw(c72,1.8) 72,1 63.94,1 cw(c63.94,3.54) 61.4,3.54 61.4,10.4
NL_U_Relay2 on Mid Layer 1(GND) "NL_U_RELAY2_L02_P020" (solid, pour order 20): 108.4,21 ccw(c108.4,18.9) 106.3,18.9 106.3,9.4 ccw(c108,9.4) 108,7.7 110.4,7.7 cw(c110.4,6.2) 111.9,6.2 111.9,3.5 ccw(c112.6,3.5) 112.6,2.8 112.7,2.8 ccw(c112.7,3.7) 113.6,3.7 113.6,16.2 108.8,21 108.2,21
NL_U_Relay1 on Mid Layer 1(GND) "NL_U_RELAY1_L02_P019" (solid, pour order 19): 70.2,21 ccw(c70.2,18.9) 68.1,18.9 68.1,9.4 ccw(c69.8,9.4) 69.8,7.7 72.2,7.7 cw(c72.2,6.2) 73.7,6.2 73.7,3.5 ccw(c74.4,3.5) 74.4,2.8 74.5,2.8 ccw(c74.5,3.7) 75.4,3.7 75.4,16.2 70.6,21 70,21
+3V3 on Mid Layer 2(GND) "+3V3_L03_P064" (solid, remove dead copper, pour order 64): 43.475,51.565 ccw(c46.015,51.565) 46.015,49.025 85.51,49.025 ccw(c85.51,51.565) 88.05,51.565 88.05,95.01 cw(c90.59,95.01) 90.59,97.55 99.51,97.55 ccw(c99.51,100.09) 102.05,100.09 102.05,125.725 ccw(c100.525,125.725) 100.525,127.25 71.69,127.25 ccw(c71.69,124.71) 69.15,124.71 69.15,107.765 cw(c66.61,107.765) 66.61,105.225 46.015,105.225 ccw(c46.015,102.685) 43.475,102.685 43.475,97.925
GND on Mid Layer 2(GND) "GND_L03_P065" (solid, remove dead copper, pour order 65): 0,45 0,145 cw(c5,145) 5,150 120,150 cw(c120,145) 125,145 125,45 cw(c120,45) 120,40 5,40 cw(c5,45)
NH_U_Relay1 on Mid Layer 2(GND) "NH_U_RELAY1_L03_P006" (solid, pour order 6): 69.649,23.142 76.291,16.499 76.291,3.36 ccw(c77.991,3.36) 79.692,3.36 79.692,17.204 ccw(c77.992,17.204) 79.193,18.407 79.194,18.406 72.55,25.049 72.55,25.79 ccw(c70.85,25.79) 69.15,25.79 69.15,24.345 ccw(c70.85,24.345)
NH_U_Relay2 on Mid Layer 2(GND) "NH_U_RELAY2_L03_P029" (solid, pour order 29): 107.812,23.02 114.45,16.383 114.45,3.465 ccw(c116.2,3.465) 117.95,3.465 117.95,17.108 ccw(c116.2,17.108) 117.438,18.346 110.8,24.983 110.8,25.8 ccw(c109.05,25.8) 107.3,25.8 107.3,24.258 ccw(c109.05,24.258)
NetJ1F_U_Relay2_1 on Mid Layer 2(GND) "NETJ1F_U_RELAY2_1_L03_P026" (solid, pour order 26): 89.4,9.6 cw(c91.5,9.6) 91.5,11.7 103.8,11.7 cw(c103.8,10.3) 105.2,10.3 105.2,8.5 ccw(c107.2,8.5) 107.2,6.5 109.3,6.5 cw(c109.3,4.7) 111,4.108 111,1.706 cw(c109.886,2.188) 109.886,0.975 91.725,0.975 cw(c91.725,3.3) 89.4,3.3
NetJ1F_U_Relay1_1 on Mid Layer 2(GND) "NETJ1F_U_RELAY1_1_L03_P024" (solid, pour order 24): 61.4,10.6 cw(c62.7,10.6) 62.7,11.9 65.9,11.9 cw(c65.9,10.7) 67.1,10.7 67.1,8.5 ccw(c69,8.5) 69,6.6 71.6,6.6 cw(c71.6,5.4) 72.8,5.4 72.8,1.8 cw(c72,1.8) 72,1 63.94,1 cw(c63.94,3.54) 61.4,3.54 61.4,10.4
NL_U_Relay2 on Mid Layer 2(GND) "NL_U_RELAY2_L03_P022" (solid, pour order 22): 108.4,21 ccw(c108.4,18.9) 106.3,18.9 106.3,9.4 ccw(c108,9.4) 108,7.7 110.4,7.7 cw(c110.4,6.2) 111.9,6.2 111.9,3.5 ccw(c112.6,3.5) 112.6,2.8 112.7,2.8 ccw(c112.7,3.7) 113.6,3.7 113.6,16.2 108.8,21 108.2,21
NL_U_Relay1 on Mid Layer 2(GND) "NL_U_RELAY1_L03_P018" (solid, pour order 18): 70.2,21 ccw(c70.2,18.9) 68.1,18.9 68.1,9.4 ccw(c69.8,9.4) 69.8,7.7 72.2,7.7 cw(c72.2,6.2) 73.7,6.2 73.7,3.5 ccw(c74.4,3.5) 74.4,2.8 74.5,2.8 ccw(c74.5,3.7) 75.4,3.7 75.4,16.2 70.6,21 70,21

## Keep-outs
Keep-Out Layer:
  lines w0.3: 38.6,13.2 42.2,9.6 45.736,6.064 ; 42,18.4 46.502,13.898 ; 55,13 47.4,13 46.502,13.898 ; 67.8,14.3 67.8,8.51 ccw(c69.07,8.51) 69.07,7.24 71.98,7.24 cw(c71.98,5.97) 73.25,5.97 73.25,3.99 73.25,2.15 ; 68,28.39 72.4,28.39 75.5,25.29 75.5,22.7 79.1,19.1 ; 70.6,21.6 75.344,16.852 75.348,16.852 75.75,16.45 75.75,6.99 75.75,2.15 ; 106,14.3 106,8.51 ccw(c107.27,8.51) 107.27,7.24 110.18,7.24 cw(c110.18,5.97) 111.45,5.97 111.45,3.99 111.45,2.15 ; 106.2,28.39 110.6,28.39 113.7,25.29 113.7,22.7 117.3,19.1 ; 108.8,21.6 113.544,16.852 ; 113.548,16.852 113.95,16.45 113.95,6.99 113.95,2.15 ; 46.502,13.898 46.502,13.898
  lines w0.5: 55,13 55,21 ; 93.6,14.1 93.6,22.1
  lines w1.5: 12,21 12,13.27 ccw(c13.27,13.27) 13.27,12 17.73,12 cw(c17.73,10.73) 19,10.73 19,4 ; 46.9,35.6 98.8,35.6 101.8,38.6 118.4,38.6

## Other copper
Top Layer:
  pour cut-out: 72.175,98 77.775,98 78.037,97.738 78.037,92.137 77.725,91.825 72.1,91.825 71.85,92.075 71.85,96.925 72.1,97.175

## Silkscreen, mask and mechanical layers (free items; w line width, h text height)
Top Overlay:
  drawing of 5 lines, arcs and shapes, not listed
  text "LCD BR" at 82.825,142.425 h1
  text "A1" at 39.475,133.325 h1
  text "A2" at 39.475,129.725 h1
  text "A3" at 39.475,126.175 h1
  text "BOOT" at 71.5,107.275 h1 r90
  text "LCD CONTRAST" at 112.725,84.55 h1
  text "NRST" at 72.828,81.426 h1
  text "LINE" at 33.35,11.7 h1
  text "NEUTRAL" at 57.825,11.7 h1
  text "NEUTRAL" at 92.3,11.7 h1
  text "N" at 70.9,8.275 h1
  text "NL" at 73.3,8.275 h1
  text "NH" at 76.7,8.275 h1
  text "N" at 109.575,8.275 h1
  text "NL" at 111.688,8.275 h1
  text "NH" at 114.8,8.275 h1
  text "L" at 44.825,8.175 h1
  text "N" at 50.175,8.175 h1
Bottom Overlay:
  text "-" at 44.05,117.551 h5
  text "+" at 100.8,117.342 h5
  text "-" at 101.225,92.226 h5
  text "+" at 44.475,91.842 h5
  text "FluidGuard V2" at 88.15,74 h3
Mechanical 1:
  lines w0.254: 0,145 cw(c5,145) 5,150 ; 0,145 cw(c5,145) 5,150 ; 0,145 0,45 ccw(c5,45) 5,40 120,40 ccw(c120,45) 125,45 125,145 ; 0,145 0,5 ccw(c5,5) 5,0 120,0 ccw(c120,5) 125,5 125,145 ; 5,150 120,150 ; 5,150 120,150 ; 120,150 cw(c120,145) 125,145 ; 120,150 cw(c120,145) 125,145

## Text inside footprints (layer, text, board x,y; h text height)
C4E: Top Overlay "+" at 7.7,91.7 h2 r90
C5E: Top Overlay "+" at 20.7,91.7 h2 r90
U1C: Top 3D Body "*" at 74.665,126.452 h1.27
U3E: Top 3D Body "*" at 7.937,17.682 h1.27 r90